# KiCad board badge.kicad_pcb (continued)
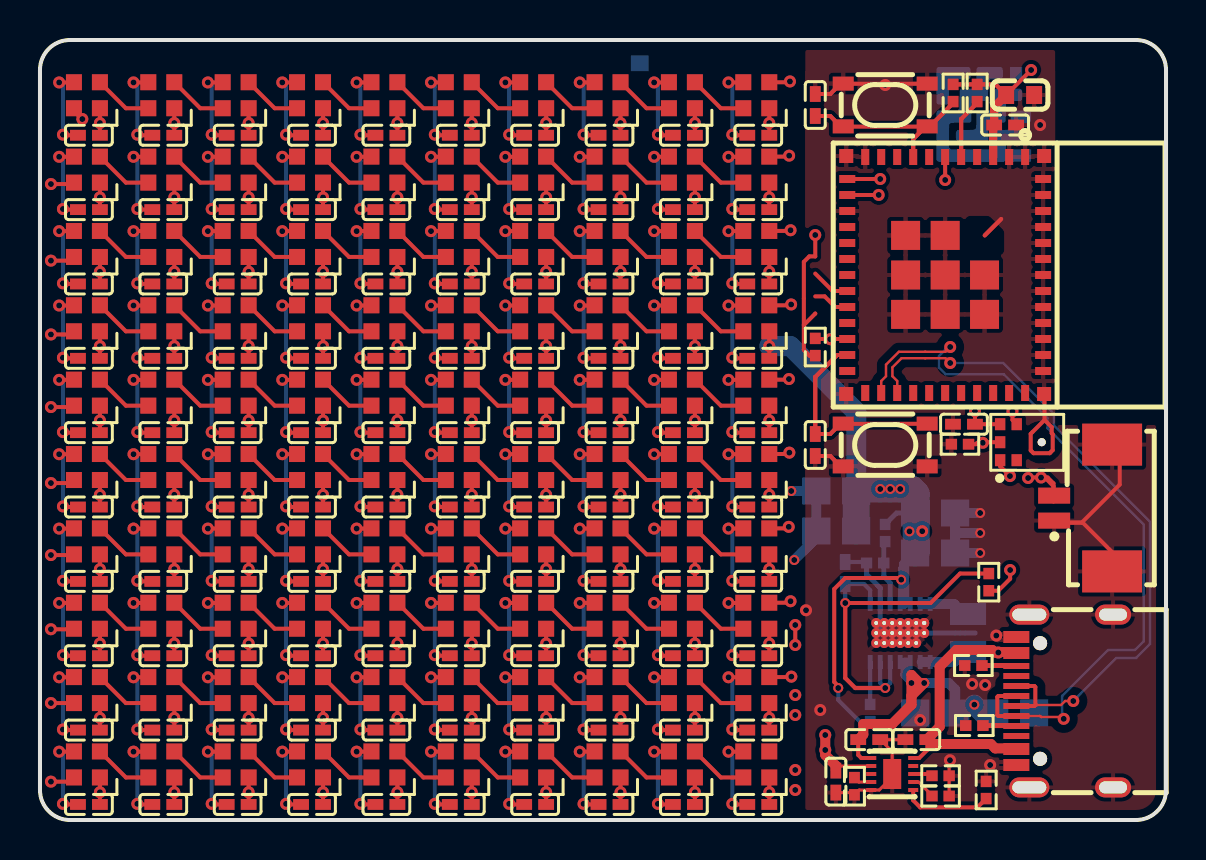
[diagram p0: board, top side]
## Routing (per net, layer and track width the routed paths; a pad name or vN(x,y) marks a point on that pad's centre or on a via; arc(x,y) is an arc through that point) (continued)
power_battery: length 30.6
  Top w0.15: U5.2 40.05,2.7 C113.1
  Top w0.2: 50.09,17.13 50.41,17.13 50.71,16.83 50.71,16.08 ; 50.09,17.13 49.43,17.13 49.4,17.15 ; 50.09,17.13 50.27,17.13 50.71,16.69 50.71,15.92
  Top w0.5: C113.1 39.82,2.72 39.29,3.25 v1(39.29,4.25)
  In1.Cu w1: 49.53,17.15 49.53,17.02 49.73,16.83 49.79,16.83 50.09,17.13 ; v1(39.29,3.5) v1(39.29,4.25) 39.29,4.3 41.34,6.34 41.34,7.5 41.61,7.77 42.77,7.77 42.8,7.8 44.94,7.8 45.84,8.7 45.84,15.49 46.65,16.3 47.43,16.3 47.69,16.04 49.54,16.04 50.09,16.59 v1(50.09,17.12)
  vias: v1(49.44,17.1)
power_system: length 16.3
  Top w0.2: U5.1 41.09,3.1 40.94,3.25 C115.1 40.89,4.02
  Top w0.5: 43.6,5.76 42.64,4.8 41.19,4.8 41.19,4.27 C115.1 ; 43.6,5.76 43.6,7.26 44.01,6.85 v2(44.24,6.85) ; 43.6,5.76 43.6,6.21 v2(44.24,6.85) ; v2(44.24,6.85) v2(43.6,6.85)
  Bottom w0.2: U6.10 U6.11
  Bottom w0.5: 43.3,7.88 43.3,7.26 43.6,6.96 v2(43.6,6.85) ; v2(46.75,5.77) 46.33,5.35 C2.1 45.79,6.53 45.47,6.85 v2(44.24,6.85)
  Bottom w1: v2(46.75,5.77) 47.17,5.35 C1.1
rows[1]-data_in-line: length 41.3
  Top w0.2: v1(37.52,36.93) 37.48,36.89 LED10.2 ; v1(0.55,31.8) 1.63,31.8 LED11.4
  In1.Cu w0.2: v1(0.55,31.8) 0.8,31.8 4.45,35.45 36.04,35.45 v1(37.52,36.93)
rows[2]-data_in-line: length 41.3
  Top w0.2: LED21.4 1.51,27.97 v1(0.55,27.97) ; LED20.2 37.44,33.17 v1(37.48,33.22)
  In1.Cu w0.2: v1(37.48,33.22) 36,31.73 4.45,31.73 0.69,27.97 v1(0.55,27.97)
rows[3]-data_in-line: length 41.5
  Top w0.2: LED31.4 1.54,24.28 v1(0.55,24.28) ; v1(37.55,29.49) 37.52,29.45 LED30.2
  In1.Cu w0.2: v1(37.55,29.49) 36.91,28.84 5.28,28.84 0.71,24.28 v1(0.55,24.28)
rows[4]-data_in-line: length 41.5
  Top w0.2: LED40.2 37.54,25.73 v1(37.58,25.78) ; LED41.4 1.63,20.65 v1(0.55,20.65)
  In1.Cu w0.2: v1(37.58,25.78) 36.93,25.12 5.28,25.12 0.8,20.65 v1(0.55,20.65)
rows[5]-data_in-line: length 41.3
  Top w0.2: v1(37.47,22.05) 37.44,22.02 LED50.2 ; LED51.4 1.55,16.85 v1(0.55,16.85)
  In1.Cu w0.2: v1(37.47,22.05) 36.83,21.41 5.28,21.41 0.72,16.85 v1(0.55,16.85)
rows[6]-data_in-line: length 41.3
  Top w0.2: LED60.2 37.42,18.3 v1(37.49,18.37) ; v1(0.55,13.25) 1.67,13.25 LED61.4
  In1.Cu w0.2: v1(0.55,13.25) 0.84,13.25 5.28,17.69 36.81,17.69 v1(37.49,18.37)
rows[7]-data_in-line: length 41.2
  Top w0.2: LED71.4 1.67,9.54 v1(0.55,9.54) ; v1(37.46,14.66) 37.39,14.58 LED70.2
  In1.Cu w0.2: v1(0.55,9.54) 0.85,9.54 5.27,13.97 36.77,13.97 v1(37.46,14.66)
rows[8]-data_in-line: length 41.4
  Top w0.2: LED80.2 37.48,10.86 v1(37.55,10.94) ; v1(0.55,5.85) 1.7,5.85 LED81.4
  In1.Cu w0.2: v1(0.55,5.85) 0.87,5.85 5.28,10.25 36.87,10.25 v1(37.55,10.94)
rows[9]-data_in-line: length 41.6
  Top w0.2: LED90.2 37.57,7.15 v1(37.59,7.17) ; v1(0.55,1.92) 1.49,1.92 LED91.4
  In1.Cu w0.2: v1(0.55,1.92) 0.66,1.92 5.28,6.53 36.96,6.53 v1(37.59,7.17)
SCL: length 1.8
  Top w0.2: U4.20 39.79,25.65 39.26,26.18 38.79,26.18
TS_MR: length 4.5
  Top w0.2: U5.6 43.69,0.98 44.04,0.63 46.9,0.63 R13.1
usb_N: length 37.7
  Top w0.12: USB1.B7 50.04,5.2 50.09,5.15 51.13,5.15 v1(51.22,5.06) ; U4.26 42.09,21.95 42.33,22.19 42.33,22.77 42.97,23.41 45.3,23.41 v1(45.54,23.65)
  Top w0.2: USB1.A7 47.95,6.2 47.9,6.15 47.9,5.25 47.95,5.2 USB1.B7
  Bottom w0.12: v1(51.22,5.06) 51.22,5.27 51.14,5.35 51.14,6.2 53.44,8.5 54.79,8.5 55.22,8.93 55.22,14.78 50.41,19.59 50.41,20.1 48.22,22.29 45.31,22.29 44.98,22.62 44.98,23.2 45.43,23.65 v1(45.54,23.65)
usb_P: length 34.2
  Top w0.12: U4.27 42.89,21.95 42.65,22.19 42.65,22.63 43.11,23.09 45.3,23.09 v1(45.54,22.85) ; 49.8,5.75 51.09,5.75 51.29,5.95 v1(51.7,5.95)
  Top w0.2: USB1.A6 49.75,5.7 49.8,5.75 49.8,6.65 49.75,6.7 USB1.B6
  Bottom w0.12: v1(51.7,5.95) 53.85,8.1 54.84,8.1 55.54,8.8 55.54,14.91 50.73,19.72 50.73,20.31 48.19,22.85 v1(45.54,22.85)
usb_power: length 21.1
  Top w0.2: R6.2 47.94,11.46 48.54,12.06 v1(48.54,12.5) ; U5.10 43.99,3.1 44.4,3.51 C114.1
  Top w0.5: 48.85,8.4 47.97,8.4 v1(47.95,8.37) 47.77,8.37 47.65,8.5 45.85,8.5 45.02,7.66 45.02,4.67 44.4,4.05 C114.1 44.62,3.8 47.57,3.8 47.79,3.58 48.77,3.58 48.85,3.5
  In1.Cu w0.2: v1(47.95,8.37) 47.77,8.37 47.14,9 47.14,9.85 48.54,11.25 v1(48.54,12.5)
VDIV_OUTPUT: length 3.3
  Bottom w0.25: U6.3 42.54,11.85 42.22,12.17 R1.1 42.22,13.85 R2.2

## Copper pours and planes (outline as drawn; the poured copper is in the pictures)
gnd on Top: 57.29,39.85 57.29,-1.9 38.29,-1.9 38.29,39.85
gnd on Top: 50.89,37.45 50.89,17.05 38.29,17.05 38.29,37.45
gnd on Bottom: 40.54,8.35 40.54,10.35 47.09,10.35 47.09,8.35
gnd on Bottom, In1.Cu: -0.96,41 59.29,41 59.04,-1.5 -0.96,-1.5
L1 on Bottom: 43.79,8.35 43.79,7.35 44.39,6.5 47.14,6.5 47.14,8.75 45.84,8.75 45.44,8.35
L2 on Bottom: 43.79,10.35 43.79,11.35 44.39,12.2 47.14,12.2 47.14,9.95 45.84,9.95 45.44,10.35
power_3v3 on Bottom: 42.79,10.35 43.79,10.35 43.79,11.35 44.69,12.65 44.69,14.05 42.89,14.05 42.89,12.5
power_3v3 on Bottom, In2.Cu: 35.79,35.25 38.29,35.25 38.29,1 35.79,1
power_3v3 on In2.Cu: -0.96,42 58.04,42 57.54,-0.5 -0.96,-0.5
power_system on Bottom: 42.79,8.35 43.79,8.35 43.79,7.35 44.69,6.05 44.69,4.65 42.89,4.65 42.89,6.2
